# Allegro board RUBUS_20173009.brd (continued)
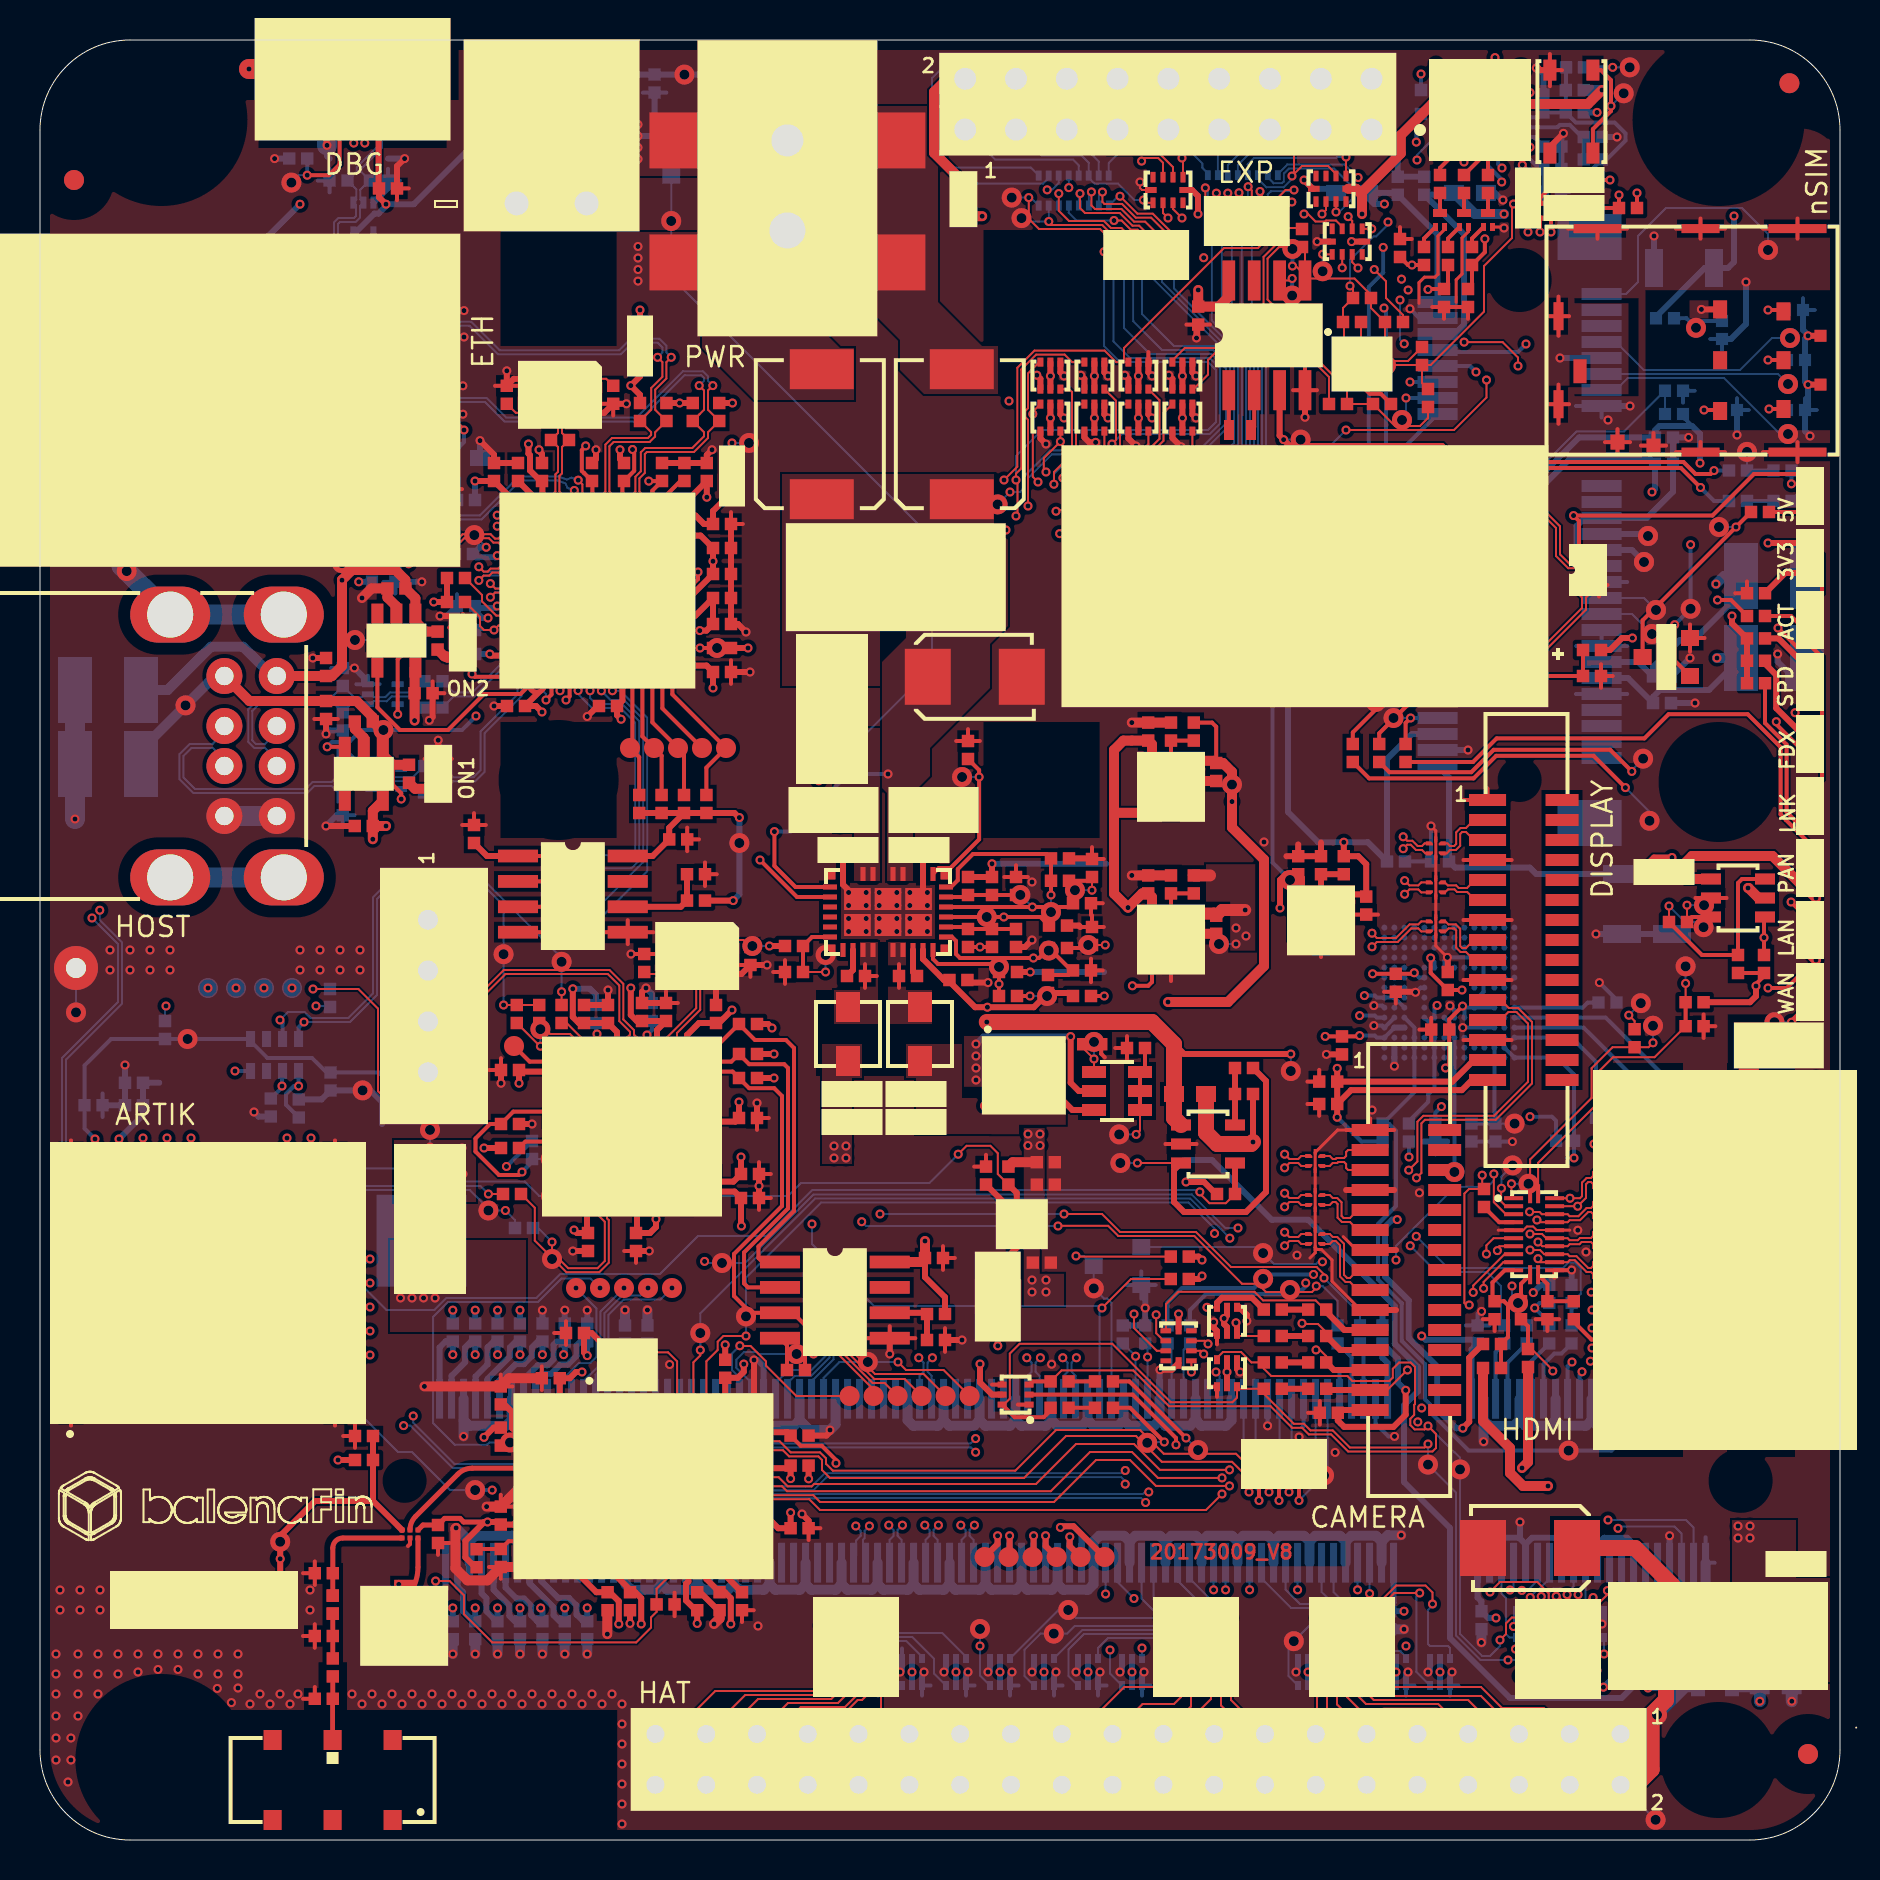
[diagram p0: board, top side]
## Routing (per net, layer and track width the routed paths; a pad name or vN(x,y) marks a point on that pad's centre or on a via; arc(x,y) is an arc through that point) (continued)
WIFI_SDIO_D0: length 36.8
  TOP w0.1: v1(59.48,17.7) 55.8,17.7 54.5,19 52.8,19 50.7,16.9 39,16.9 38.66,17.24 34.93,17.24 34.59,16.9 34.33,16.9 MOD1.B6
  TOP w0.2: RR15.4 v1(61.95,16.98)
  INT1 w0.1: v1(59.48,17.7) 59.84,18.07 61.31,18.07 61.95,17.43 v1(61.95,16.98)
  BOTTOM w0.1: v1(61.95,16.98) 61.95,17.45 62.58,18.08 J2.58
WIFI_SDIO_D1: length 32.9
  TOP w0.1: MOD1.A6 35.37,17.04 38.46,17.04 39,16.5 58.3,16.5 v1(59.1,17.3)
  TOP w0.2: RR15.3 v1(61.45,17.4)
  INT1 w0.1: v1(59.1,17.3) 59.6,17.3 60.16,17.86 60.99,17.86 v1(61.45,17.4)
  BOTTOM w0.1: J2.60 61.98,17.93 v1(61.45,17.4)
WIFI_SDIO_D2: length 35.8
  TOP w0.1: MOD1.B3 34.67,19.94 36.98,19.94 37.54,19.38 39,19.38 39.3,19.08 39.3,18.81 39.64,18.46 48.77,18.46 50.8,20.5 55,20.5 56.19,19.31 59.8,19.31 60.95,18.16 RR15.2
  TOP w0.2: v1(60.95,16.98) RR15.2
  BOTTOM w0.1: v1(60.95,16.98) 60.95,17.43 60.78,17.6 J2.64
WIFI_SDIO_D3: length 33.4
  TOP w0.1: MOD1.A3 37.14,19.49 37.45,19.18 38.92,19.18 39.1,19 39.1,18.5 39.5,18.1 49.2,18.1 51.3,20.2 54.8,20.2 56.09,18.91 59.6,18.91 60.45,18.06 RR15.1
  TOP w0.2: v1(60.45,17.4) RR15.1
  BOTTOM w0.1: J2.66 60.18,19.95 60.5,19.63 60.5,17.45 v1(60.45,17.4)
N16818805: length 2.1
  TOP w0.2: U2.5 R37.2 R35.1
N16819336: length 2.1
  TOP w0.2: R42.1 R46.2 U5.5
N16826548: length 18
  TOP w1: J13.6 19.43,86.75 J13.10 J13.8 J13.9 J13.11 ; J13.11 v1(10.45,88.55) ; J13.11 11.83,86.75 J13.7
  BOTTOM w1: R117.2 C89.2 11.06,88.55 v1(10.45,88.55)
N16826556: length 31.5
  GND w1: J11.12 J11.9
  BOTTOM w1: C71.2 R96.2 4.08,63.7 v2(4.33,63.45) J11.9 J11.10 ; J11.12 J11.11
N16879463: length 15.6
  TOP w0.1: U1.23 74.91,33.86 77.98,36.93 77.98,38.47 78.65,39.14 80.73,39.14 C3.1 ; R2.1 v1(82.28,42.83)
  TOP w0.2: C3.1 R2.1
  BOTTOM w0.1: v1(82.28,42.83) v2(82.28,43.68)
N16879564: length 12
  TOP w0.1: v1(80.65,39.86) 80.43,39.64 R6.2 78.63,39.64 77.58,38.59 77.58,37.1 74.5,34.02 U1.24
  BOTTOM w0.1: v1(80.65,39.86) v2(80.65,40.71)
N16879671: length 3.2
  TOP w0.2: L1.2 76.69,25.91 77.57,25.02 79.31,25.02 J1.18
N16879685: length 1.8
  TOP w0.2: R13.2 72.96,30.89 U1.4
N16879735: length 6.3
  TOP w0.2: U1.10 73.24,28.49 72.62,27.88 72.62,27.05 C9.1 73.2,26.94 73.4,26.74 73.4,25.15 R243.2 R244.2
N16879749: length 32.5
  TOP w1: J1.22 87.05,35.88 87.05,22.12 J1.21 J1.24 ; J1.22 85.44,37.48 C8.2 ; J1.22 v1(83.64,36.88) J1.23
  BOTTOM w0.1: v1(83.64,36.88) v2(84.49,36.88)
N16879759: length 1.5
  TOP w0.2: U1.11 74.05,27.81 R16.2
N16879761: length 2.8
  TOP w0.2: L1.1 C10.1 75.37,27.8 U1.12
N16882551: length 13
  TOP w0.1: R21.1 51.83,29.17 v1(51.8,29.2)
  BOTTOM w0.1: J2.88 53.58,22.07 53.58,26.86 53.36,27.07 53.2,27.07 v2(52.69,27.58) Q1.3 52.19,29.2 v1(51.8,29.2)
N16891942: length 6.2
  BOTTOM w0.1: v2(15.45,68.04) Q6.3
  BOTTOM w0.2: U13.10 16.6,64.38 R113.2 15.45,64.96 Q6.3
N16952006: length 1.3
  TOP w0.2: R25.2 R26.1
N16952009: length 1.3
  TOP w0.2: R23.2 R24.1
N16956172: length 1.3
  TOP w0.3: R81.2 R82.1
N16956207: length 1.3
  TOP w0.3: R83.2 R84.1
N16956242: length 1.3
  TOP w0.3: R85.2 R86.1
N16956269: length 1.3
  TOP w0.3: R87.2 R88.1
N16969912: length 8
  INT1 w0.2: v1(12.6,42.6) 12.6,38.03 v1(12.93,37.7)
  BOTTOM w0.2: RR4.1 v1(12.93,37.7) 12.7,37.7 12.3,37.3 12.3,36.77 12.94,36.13 R128.1
N16969957: length 6.9
  INT1 w0.2: v1(12.1,37.7) 11.2,38.6 v1(11.2,42.6)
  BOTTOM w0.2: RR4.2 12.1,38.42 v1(12.1,37.7) 12.1,37.63 R132.1
N16969979: length 5
  INT1 w0.2: v1(9.75,38.45) 9.8,38.5 v1(9.8,42.6)
  BOTTOM w0.2: RR4.4 v1(9.75,38.45)
N17037416: length 2.9
  BOTTOM w0.3: R29.1 29.58,24.5 J2.168
N17062592: length 1.4
  TOP w0.1: RR3.13 60.09,82.22 v1(59.95,82.36)
  BOTTOM w0.1: RR2.5 59.89,82.29 59.95,82.35 v1(59.95,82.36)
N17062595: length 1.3
  TOP w0.1: v1(59.39,82.34) 59.39,82.31 59.59,82.11 RR3.14
  BOTTOM w0.1: v1(59.39,82.34) RR2.6
N17062598: length 1.4
  TOP w0.1: v1(58.82,82.34) 58.82,82.32 59.09,82.05 RR3.15
  BOTTOM w0.1: v1(58.82,82.34) 58.82,82.32 58.89,82.25 RR2.7
N17062601: length 2
  TOP w0.1: v1(58.27,82.61) 58.27,82.02 RR3.16
  BOTTOM w0.1: v1(58.27,82.61) 58.39,82.48 RR2.8
N17081835: length 1
  TOP w0.2: RR7.9 RR8.8
N17081884: length 1
  TOP w0.2: RR8.7 RR7.10
N17081939: length 1
  TOP w0.2: RR7.11 RR8.6
N17082126: length 1
  TOP w0.2: RR11.14 RR12.3
N17082162: length 1
  TOP w0.2: RR11.15 RR12.2
N17082197: length 1
  TOP w0.2: RR12.1 RR11.16
N17089128: length 1
  TOP w0.2: RR8.4 RR7.13
N17089171: length 1
  TOP w0.2: RR7.14 RR8.3
N17089214: length 1
  TOP w0.2: RR7.16 RR8.1
N17089343: length 1
  TOP w0.2: RR11.10 RR12.7
N17089386: length 1
  TOP w0.2: RR11.12 RR12.5
N17119064: length 2.1
  TOP w0.3: R49.1 R52.2 U6.5
N17119869: length 6.7
  TOP w0.2: v1(67.76,57.5) 65.64,55.38 R146.1
  BOTTOM w0.1: v2(67.03,58.07) 67.6,57.5 v1(67.76,57.5)
  BOTTOM w0.2: v1(67.76,57.5) 67.96,57.7 J19.42
N17119872: length 5.8
  TOP w0.2: R147.1 66.96,55.33 v1(68.53,56.9)
  BOTTOM w0.1: v2(66.79,56.9) v1(68.53,56.9)
  BOTTOM w0.2: J19.44 v1(68.53,56.9)
N17119875: length 3.6
  TOP w0.2: v1(68.53,56.1) 68.28,55.85 R148.1
  BOTTOM w0.1: v1(68.53,56.1) v2(67.68,56.1)
  BOTTOM w0.2: J19.46 v1(68.53,56.1)
N17119878: length 26.3
  TOP w0.2: LD11.1 88.5,49.8 87.3,51 87.3,51.01 87.03,51.28 87.03,54.65 85.39,56.29 81.43,56.29 80.22,55.08 72.83,55.08 71.65,53.9 R148.2
N17119887: length 27
  TOP w0.2: v1(79.59,53.43) 78.51,54.51 72.68,54.51 71.56,53.39 67.47,53.39 R147.2 ; v1(87.56,46.9) 88.2,46.25 LD10.1
  INT1 w0.2: v1(87.56,46.9) 85.36,46.9 80.07,52.19 80.07,52.95 v1(79.59,53.43)
  BOTTOM w0.1: v2(80.16,54.07) 80.07,53.98 80.07,53.97 79.59,53.49 v1(79.59,53.43)
N17119896: length 33.7
  TOP w0.2: v1(79.27,52.62) 77.68,54.21 72.81,54.21 71.68,53.08 66.46,53.08 R146.2 ; LD9.1 87.89,43.15 87.34,42.6 v1(86.4,42.6)
  INT1 w0.2: v1(86.4,42.6) 86.8,43 86.8,46.4 86.6,46.6 85.24,46.6 79.27,52.57 v1(79.27,52.62)
  BOTTOM w0.1: v2(80.48,50.96) 80.48,51.41 v1(79.27,52.62)
N17122549: length 22.1
  TOP w0.2: v1(83.03,67.62) 82.05,68.6 71.75,68.6 71.55,68.4 71.55,62.93 71.8,62.68 71.8,62.12 v1(71.37,61.7)
  BOTTOM w0.2: v1(83.03,67.62) 83.7,66.95 R144.1 ; J19.32 v1(71.37,61.7)
N17122560: length 21.2
  TOP w0.2: v1(71.37,62.5) 71.25,62.62 71.25,68.52 71.62,68.9 82.17,68.9 82.77,68.3 83.53,68.3 v1(83.7,68.47)
  BOTTOM w0.2: R142.1 v1(83.7,68.47) ; J19.30 v1(71.37,62.5)
N17123208: length 16.6
  TOP w0.2: R187.1 v1(74.4,80.4)
  INT1 w0.2: v1(68.3,72.1) 68.08,72.33 68.08,73.08 68.5,73.5 70.8,73.5 71.7,74.4 71.7,78.62 73.08,80 74,80 v1(74.4,80.4)
  BOTTOM w0.1: v1(68.3,72.1) 68.3,71.1 68.2,71 v2(68.1,71)
  BOTTOM w0.2: J19.14 v1(68.3,72.1)
N17123211: length 16.5
  TOP w0.2: R186.1 75,82.1 v1(75,80.4)
  INT1 w0.2: v1(68.5,72.9) 70.7,72.9 72.1,74.3 72.1,78.6 73.2,79.7 74.3,79.7 75,80.4 v1(75,80.4)
  BOTTOM w0.2: J19.12 v1(68.5,72.9)
N17123214: length 12.7
  TOP w0.2: R185.1 75.55,81.25 v1(75.55,80.4)
  INT1 w0.2: v1(75.55,80.4) 76.3,79.65 76.3,77.63 72.07,73.4 v1(71.8,73.4)
  BOTTOM w0.2: v1(71.8,73.4) 71.5,73.7 J19.10
N17123217: length 25.9
  TOP w0.2: v1(86.4,76.5) 87.11,76.5 J22.1 ; R188.2 v1(79.85,82.35)
  INT1 w0.2: v1(86.4,76.5) 85.7,76.5 v1(79.85,82.35) 79.85,80.75 74.3,75.2 v1(74.3,74.8)
  BOTTOM w0.2: J19.8 69.98,74.4 73.9,74.4 v1(74.3,74.8) ; C153.1 v1(86.4,76.5)
N17126506: length 2.7
  BOTTOM w0.2: R189.2 83.14,75.95 v2(82.8,75.61) 82.32,76.09 R149.1
N17128944: length 2.3
  BOTTOM w0.1: v2(85.35,69.41) R142.2
  BOTTOM w0.2: R143.1 R142.2
N17129002: length 1.3
  BOTTOM w0.2: R145.1 R144.2
N17130185: length 46.8
  TOP w0.2: R248.1 C211.1 72.7,58.2 72.4,57.9 68,57.9 66.9,59 66.9,64.12 v1(68.47,65.7) 66.1,68.08 v1(66.1,68.4)
  INT2 w0.2: v1(67.2,76.6) 67.2,78.69 69.28,80.77 69.28,88.08 v1(69.05,88.3)
  BOTTOM w0.2: J19.22 v1(68.47,65.7) ; R250.1 v1(69.05,88.3) ; v1(66.1,68.4) 67.3,69.6 v2(67.3,73.74) 67.3,76.5 v1(67.2,76.6)
N17130223: length 10.7
  BOTTOM w0.1: J19.7 78.79,74.9 80.19,73.5 85,73.5 86.6,75.1 v2(87.5,75.1)
N17130226: length 9.5
  BOTTOM w0.1: J19.11 86.9,73.3 v2(87.4,72.8)
N17130229: length 10.7
  BOTTOM w0.1: v2(87.4,70.3) 87,70.3 84.2,73.1 79.39,73.1 78.79,72.5 J19.13
N17130232: length 2.4
  BOTTOM w0.3: v2(80.4,65.2) 80.3,65.3 J19.23
N17130235: length 2.4
  BOTTOM w0.3: J19.25 79.6,64.5 v2(80.2,63.9)
N17130238: length 3
  BOTTOM w0.1: v2(80.8,61.5) 80.2,62.1 J19.31
N17130241: length 2.9
  BOTTOM w0.1: J19.33 79.6,61.3 v2(80.6,60.3)
N17130249: length 12.8
  BOTTOM w0.1: J19.1 79.3,77.3 79.9,77.9 79.9,80.2 81.3,81.6 85.1,81.6 86.4,80.3 v2(86.4,79.5)
N17159243: length 2.1
  TOP w0.2: R66.2 88.45,66.4 LD4.1
N17159780: length 2.7
  TOP w0.3: R67.2 87.26,63.35 LD5.1
N17163814: length 2
  TOP w0.1: v1(60.41,82.67) 60.41,82.66 60.59,82.48 RR3.12
  BOTTOM w0.1: RR2.4 60.39,82.65 v1(60.41,82.67)
N17163832: length 1.5
  TOP w0.1: RR3.11 61.09,82.34 v1(61,82.43)
  BOTTOM w0.1: v1(61,82.43) 60.89,82.32 RR2.3
N17163850: length 3.5
  TOP w0.1: RR3.10 61.59,81.81 62.28,82.5 v1(62.7,82.5)
  BOTTOM w0.1: v1(62.7,82.5) 62.64,82.44 61.54,82.44 61.39,82.29 RR2.2
N17179377: length 4.2
  TOP w0.25: U26.3 18.9,13.65 arc(18.72,12.75) 18.21,11.98
  BOTTOM w0.2: v2(17.94,11.93) v1(17.94,12.78)
N17179423: length 3.2
  TOP w0.24: ANT1.2 14.63,7.05 C60.1 C202.2
N17179429: length 2.2
  TOP w0.24: L22.2 C201.1 C202.1
N17182696: length 1
  TOP w0.3: RR9.10 RR10.7
N17182698: length 1
  TOP w0.3: RR9.11 RR10.6
N17182699: length 1
  TOP w0.3: RR9.12 RR10.5
N17182700: length 1
  TOP w0.3: RR9.13 RR10.4
N17182701: length 1
  TOP w0.3: RR9.14 RR10.3
N17182702: length 1
  TOP w0.3: RR9.15 RR10.2
N17182703: length 1
  TOP w0.3: RR9.16 RR10.1
N17182828: length 1
  TOP w0.2: RR6.2 RR5.15
N17182829: length 1
  TOP w0.2: RR6.1 RR5.16
N17182830: length 1
  TOP w0.2: RR6.3 RR5.14
N17182831: length 1
  TOP w0.2: RR6.4 RR5.13
N17182832: length 1
  TOP w0.2: RR6.5 RR5.12
N17182833: length 1
  TOP w0.2: RR6.6 RR5.11
N17182834: length 1
  TOP w0.2: RR6.7 RR5.10
N17182835: length 1
  TOP w0.2: RR6.8 RR5.9
N17186212: length 1
  TOP w0.2: RR11.13 RR12.4
N17186527: length 1
  TOP w0.2: RR11.11 RR12.6
N17199581: length 3.6
  BOTTOM w0.2: J2.28 75.18,23.79 75.71,24.32 76.07,24.32 R8.1
N17199633: length 3.1
  BOTTOM w0.2: J2.30 74.58,23.95 R9.1
N17201498: length 2.8
  BOTTOM w0.2: R14.1 66.18,24.65 J2.46
N17201501: length 3.1
  BOTTOM w0.2: R15.1 65.58,24.13 J2.48
N17201615: length 2.9
  BOTTOM w0.1: R17.1 57.18,24.51 J2.76
N17201618: length 2.9
  BOTTOM w0.1: R19.1 56.58,24.63 J2.78
N17222181: length 4.3
  BOTTOM w0.2: U17.A6 77.13,41.62 77.38,41.87 R139.2
N17222186: length 6.8
  INT2 w0.2: v1(70.07,36.67) 69.85,36.89 v1(69.85,41.73)
  BOTTOM w0.2: v1(70.07,36.67) 69.77,36.37 R140.2 ; U17.J5 69.72,41.6 v1(69.85,41.73)
N17293442: length 5.5
  TOP w0.3: v1(51.02,15.63) 51.08,15.69 51.68,15.69 53.21,14.15 TP1.1
  BOTTOM w0.3: J2.93 52.08,15.28 51.68,15.69 51.08,15.69 v1(51.02,15.63)
N17293451: length 2.5
  TOP w0.3: TP2.1 51.48,14.7 51.48,15.15 v1(51.49,15.16)
  BOTTOM w0.3: J2.95 51.48,15.15 v1(51.49,15.16)
N17293460: length 2.6
  TOP w0.3: v1(50.28,15.21) 50.28,14.7 TP3.1
  BOTTOM w0.3: J2.99 v1(50.28,15.21)
N17293469: length 2.4
  TOP w0.3: TP4.1 49.68,14.2 v1(49.68,15.21)
  BOTTOM w0.3: J2.101 v1(49.68,15.21)
N17293478: length 2.4
  TOP w0.3: v1(48.48,15.21) 48.48,14.2 TP5.1
  BOTTOM w0.3: J2.105 v1(48.48,15.21)
N17293487: length 2.7
  TOP w0.3: TP6.1 47.88,14.8 v1(47.88,15.21)
  BOTTOM w0.3: J2.107 v1(47.88,15.21)
N17293523: length 9.4
  TOP w0.1: v1(42.9,23.9) 43.3,23.5 45.18,23.5 TP7.1
  BOTTOM w0.1: J2.136 39.18,23.11 39.97,23.9 v2(41.39,23.9) v1(42.9,23.9)
N17293530: length 13
  TOP w0.1: TP8.1 44.18,23.3 41.75,23.3 39.35,25.7 v1(39.1,25.7)
  BOTTOM w0.1: J2.138 38.58,22.94 39.67,24.03 39.67,25.12 v1(39.1,25.7) v2(39.1,26.74)
N17293537: length 11.7
  TOP w0.1: TP9.1 43.23,23.05 41.72,23.05 39.67,25.1 v1(38.67,25.1)
  BOTTOM w0.1: J2.142 37.38,22.85 37.74,23.21 38.57,23.21 39.48,24.12 39.48,24.86 39.23,25.1 v1(38.67,25.1)
N17293544: length 9.2
  TOP w0.1: TP10.1 42.23,22.85 41.63,22.85 39.78,24.7 v1(39.1,24.7)
  BOTTOM w0.1: v1(39.1,24.7) 39.27,24.52 39.27,24.2 38.57,23.5 37.43,23.5 36.78,22.85 J2.144
N17293551: length 10.4
  TOP w0.1: TP11.1 41.68,22.52 39.9,24.3 v1(38.67,24.3)
  BOTTOM w0.1: J2.148 35.58,22.85 34.81,23.61 34.81,24.01 35.2,24.4 35.83,24.4 35.93,24.3 v2(37.83,24.3) v1(38.67,24.3)
N17293558: length 9.6
  TOP w0.1: TP12.1 37.82,22.2 36.3,23.72 36.3,23.93 35.53,24.7 35,24.7 35,24.71 v1(34.99,24.71)
  BOTTOM w0.1: J2.150 34.98,23.12 34.6,23.5 34.6,24.32 v1(34.99,24.71)
N17293833: length 2.8
  BOTTOM w0.3: J2.166 30.18,24.64 R28.1
N17297409: length 8.6
  BOTTOM w0.3: R237.1 28.91,87.56 29.63,88.27 R32.2 v2(32.22,88.27) 35.63,88.27 35.85,88.05 Q2.1
N17299945: length 72.9
  TOP w0.2: R31.1 84.55,62 v1(83.88,62)
  INT2 w0.1: v1(83.88,62) 84.17,62.3 84.17,64.83 80.11,68.89 80.11,72.43 77.04,75.5 54.13,75.5 53.08,74.45 38.15,74.45 34.73,77.87 v1(34.73,84.2)
  BOTTOM w0.1: Q3.3 34.66,84.16 34.7,84.2 v1(34.73,84.2)
  BOTTOM w0.3: Q2.2 35.15,86.15 v2(34.36,85.36) 33.93,84.93 Q3.3
N17304746: length 2.6
  TOP w0.2: LD17.1 87.55,61.2 R31.2
N17324040: length 1.4
  TOP w0.1: RR3.9 62.39,81.7 v1(62.59,81.9)
  BOTTOM w0.1: v1(62.59,81.9) 62.43,81.74 RR2.1
N17354151: length 5.7
  TOP w0.2: v1(13.36,83.24) 14.44,83.24 14.98,83.78 J13.4
  BOTTOM w0.1: v2(12.57,82.87) 12.94,83.24 v1(13.36,83.24)
  BOTTOM w0.2: R153.2 v1(13.36,83.24)
N18376084: length 155.2
  TOP w0.2: PB1.3 77.64,85.55 78.55,86.45 v1(78.55,86.7) 78.55,87.99 78.05,88.5 PB1.4
  INT2 w0.1: v1(26.69,15.52) 29.71,12.5 32.02,12.5 32.09,12.42 52.38,12.42 52.86,12.9 65.18,12.9 71.83,19.55 72.34,19.55 72.56,19.76 72.56,20.27 73.42,21.14 79.98,21.14 81.15,22.31 81.15,33.64 80.25,34.54 80.25,66.97 79.91,67.31 79.91,72.35 76.98,75.28 68.67,75.28 v1(68.21,74.81) ; v1(68,77) 67.7,77.3 67.7,78.84 70.5,81.64 70.5,85.15 70.84,85.48 70.84,86.23 73.82,89.22 77.2,89.22 78.55,87.87 v1(78.55,86.7)
  BOTTOM w0.1: v1(68.21,74.81) 68,75.02 v1(68,77) ; J2.177 26.88,15.32 26.7,15.5 26.7,15.51 v1(26.69,15.52) ; v1(78.55,86.7) v2(79.19,87.33)
N18385522: length 7
  TOP w0.5: J14.2 45.36,88.06 44.7,87.4 44.7,84.36 F2.1
N18386630: length 4.8
  TOP w0.1: v1(54,82.19) 54.87,81.31 55.64,81.31 56.56,80.4 56.87,80.4 57.06,80.21 RR13.9
  BOTTOM w0.1: v1(54,82.19) 53.91,82.19 RR14.1
N18386633: length 5.5
  TOP w0.1: v1(53.12,82.4) 53.12,81.9 53.22,81.8 54.1,81.8 54.79,81.11 55.56,81.11 56.56,80.11 RR13.10
  BOTTOM w0.1: RR14.2 52.94,82.22 v1(53.12,82.4)
N18386636: length 5.7
  TOP w0.1: v1(52.57,82.41) 52.57,81.73 52.75,81.55 54.07,81.55 54.71,80.92 55.26,80.92 56.06,80.11 RR13.11
  BOTTOM w0.1: RR14.3 52.44,82.27 v1(52.57,82.41)
N18386651: length 5.6
  TOP w0.1: RR13.12 55.56,80.11 54.96,80.72 54.62,80.72 53.99,81.35 52.25,81.35 52,81.6 v1(52,82.32)
  BOTTOM w0.1: v1(52,82.32) 51.94,82.26 RR14.4
N18386810: length 4.7
  TOP w0.1: v1(53.7,80.97) 54.08,80.97 54.54,80.52 54.87,80.52 55.06,80.33 RR13.13
  BOTTOM w0.1: v1(53.7,80.97) 51.83,80.97 51.44,81.36 RR14.5
N18386815: length 5.8
  TOP w0.1: RR13.14 54.56,80.11 54.07,80.6 53.54,80.6 53.19,80.95 51.45,80.95 50.94,81.46 v1(50.94,82.32)
  BOTTOM w0.1: RR14.6 v1(50.94,82.32)
N18386822: length 6.5
  TOP w0.1: v1(50.44,80.92) 50.44,80.85 50.54,80.75 53.11,80.75 53.46,80.4 53.96,80.4 54.06,80.3 RR13.15
  BOTTOM w0.1: RR14.7 v1(50.44,80.92) 49.24,80.92 v2(49.08,81.09)
N18386825: length 7.1
  TOP w0.1: v1(49.44,82.12) 49.44,81.06 49.95,80.55 53,80.55 53.45,80.1 53.46,80.1 RR13.16
  BOTTOM w0.1: v2(48.59,82.12) v1(49.44,82.12) 49.54,82.12 RR14.8
N18400731: length 1.7
  TOP w0.3: C152.1 48.34,31.73 U20.4
N18401161: length 1.8
  TOP w0.3: R182.1 48.84,29.62 U20.6
N18405003: length 3.4
  BOTTOM w0.3: R184.2 R183.2 R1.2 R3.2
N18406483: length 22.5
  TOP w0.2: v1(74.12,83.75) 74.4,83.47 R187.2 ; J22.2 87.17,74 v1(86.4,74)
  INT2 w0.2: v1(86.4,74) 82.8,74 81.4,75.4 81.4,81.4 79.05,83.75 v1(74.12,83.75)
  BOTTOM w0.2: C154.1 v1(86.4,74)
N18406582: length 16.2
  TOP w0.2: v1(78.95,82.25) R188.1 R185.2 ; v1(83.2,71.5) 83.95,71.5 J22.7
  INT2 w0.2: v1(78.95,82.25) 78.95,75.75 v1(83.2,71.5)
  BOTTOM w0.2: C156.1 v1(83.2,71.5)
N18406685: length 27.1
  BOTTOM w0.2: J19.16 61.62,63.05 61.62,48.88 v2(62.5,48)
N18408710: length 19.3
  TOP w0.2: J22.3 v1(86.45,71.55) ; R186.2 v1(78.5,83)
  INT2 w0.2: v1(78.5,83) 79.1,83 79.4,82.7 79.4,76 83.47,71.92 86.08,71.92 v1(86.45,71.55)
  BOTTOM w0.2: v1(86.45,71.55) 87.3,71.55 C155.1
N18414063: length 3.2
  TOP w0.3: R199.2 R198.1 44.29,26.36 U21.6
N18414095: length 1.7
  TOP w0.2: U21.4 37.35,24.74 R190.2
N18414244: length 8.4
  TOP w0.1: C44.1 35.17,45 Y3.1 33.21,45 33.01,44.8 33.01,41.51 31.85,40.35 U8.3
N18414297: length 6.8
  TOP w0.1: C45.1 30.31,43.3 Y3.3 32.61,43.3 32.81,43.1 32.81,41.59 31.35,40.13 U8.4
N18414337: length 2.3
  TOP w0.2: U8.6 v1(30.35,40.25)
  BOTTOM w0.1: v2(30.35,39.4) v1(30.35,40.25)
  BOTTOM w0.2: R193.2 30.6,40.5 v1(30.35,40.25)
N18414397: length 10.1
  TOP w0.1: R238.1 24.74,31.61 24.74,29.97 26.32,28.39 27.96,28.39 28.44,28.87 28.44,30.99 28.35,31.08 U8.33
N18414409: length 2.1
  TOP w0.2: U8.11 v1(27.85,40.3)
  BOTTOM w0.1: v1(27.85,40.3) v2(27.85,39.45)
  BOTTOM w0.2: R192.1 27.8,40.35 v1(27.85,40.3)
N18414413: length 8.6
  TOP w0.1: v1(25.6,29.9) 25.6,29.4 26.41,28.59 27.88,28.59 28.24,28.95 28.24,30.91 27.85,31.3 U8.32
  BOTTOM w0.1: v2(25.6,29.05) v1(25.6,29.9) 24.9,30.6 R291.1
N18414425: length 1.9
  TOP w0.1: U8.12 27.35,39.83 26.33,40.85 R214.2
N18414475: length 9.8
  TOP w0.2: v1(24.1,33.4) 23.95,33.25 22.95,33.25 21.78,34.42 21.78,35.08 22.5,35.8 C50.1 23.05,35.8 23.67,36.42 U8.20
  BOTTOM w0.1: R216.2 v2(25.54,34.05)
  BOTTOM w0.2: R216.2 24.6,33.9 v1(24.1,33.4)
N18424363: length 9.3
  TOP w0.2: J20.4 18.73,71.36 20.34,71.36 v1(21.2,70.5)
  BOTTOM w0.1: v2(19.7,67) R200.1
  BOTTOM w0.2: R200.1 20.4,67.45 C135.1 21.2,69.9 v1(21.2,70.5)
N18424443: length 14.5
  TOP w1: J20.9 v1(2.88,74.6) J20.10
  BOTTOM w0.1: C134.2 v2(4.68,73.3)
  BOTTOM w1: C134.2 2.88,73.52 v1(2.88,74.6)
N18431035: length 1.5
  TOP w0.3: U22.63 24.62,67.23 R201.1
N18432576: length 1.7
  TOP w0.2: U22.50 31.12,67.05 32.02,67.95 R202.1
N18433009: length 7
  TOP w0.2: U22.41 32.58,62.72 32.9,63.05 v1(32.9,63.4) ; R203.1 v1(33,59.6)
  INT1 w0.2: v1(32.9,63.4) 33.5,62.8 33.5,60.1 v1(33,59.6)
  BOTTOM w0.1: v2(33.85,59.6) v1(33,59.6)
N18435074: length 7.7
  TOP w0.1: C148.1 23.79,71.36 Y2.3 25.78,71.36 25.9,71.24 25.9,70.35 R204.2 25.9,69.65 25.9,68.41 25.77,68.28 25.77,67.42 25.62,67.27 U22.61
N18435086: length 8.9
  TOP w0.1: U22.60 26.12,67.27 25.97,67.42 25.97,68.2 26.1,68.33 26.1,69.65 R204.1 26.1,70.35 26.1,72.18 26.98,73.06 Y2.1 28.31,73.06 C147.1
N18439547: length 73.7
  TOP w0.2: v1(87.75,56.37) 87.75,56.41 LD13.1 ; U22.22 26.62,57.92 26.48,57.78 26.48,57.18 v1(26.3,57)
  INT1 w0.1: v1(87.75,56.37) 85.67,58.45 85.67,62.23 84.47,63.43 69.54,63.43 65.19,59.08 48.77,59.08 44.28,54.58 33.36,54.58 30.93,57 v1(26.3,57)
N18439549: length 2.8
  TOP w0.3: LD13.2 88.35,58.65 86.92,60.08 R174.1
N18439559: length 79.9
  TOP w0.2: U22.21 26.12,57.58 v1(26,57.46) ; LD12.1 89.1,53.05 89.1,59.13 88.58,59.65 87.85,59.65 v1(86.9,60.6)
  INT1 w0.1: v1(86.9,60.6) 86.9,62.08 85.35,63.63 69.46,63.63 65.1,59.27 48.69,59.27 44.19,54.78 33.44,54.78 30.37,57.85 26.38,57.85 v1(26,57.46)
  BOTTOM w0.1: v1(26,57.46) 26,58.18 26.32,58.5 v2(26.43,58.5)
N18439563: length 80.7
  TOP w0.2: v1(86.81,55.91) 86.81,55.78 88.5,54.1 LD14.1 ; U22.20 25.58,58.12 25.58,57.27 v1(25.3,57)
  INT1 w0.1: v1(25.3,57) 25.3,57.29 26.05,58.05 30.45,58.05 33.52,54.98 44.11,54.98 48.61,59.48 65.02,59.48 69.37,63.83 85.44,63.83 88.21,61.06 88.21,56.29 87.84,55.91 v1(86.81,55.91)
  BOTTOM w0.1: v1(25.3,57) 25.3,57.3 v2(24.84,57.76)
N18439587: length 8.2
  TOP w0.2: R175.1 86.25,55.85 87.33,54.77 87.33,51.4 87.78,50.95 LD12.2
N18439615: length 4.7
  TOP w0.3: R177.1 86.25,58.81 86.81,58.25 86.81,56.59 87.85,55.55 LD14.2
N18440280: length 4.2
  TOP w0.1: U22.12 22.92,60.72 v1(22.7,60.5) 22.2,60.5 22,60.7 22,61.15 R205.1
  BOTTOM w0.1: C187.2 v1(22.7,60.5)
N18441109: length 4.4
  TOP w0.3: R171.2 R169.1 32.04,46.66 U19.6
N18444316: length 7.4
  TOP w0.2: R206.1 33.32,53.62 TP69.1 31.62,57.28 U22.32
N18444319: length 4.4
  TOP w0.2: TP68.1 31.12,56.58 U22.31
N18444322: length 6.6
  TOP w0.2: U22.30 30.62,55.88 TP67.1 32.2,54.3 R207.1
N18444325: length 6.3
  TOP w0.2: R208.1 31.08,54.22 TP66.1 30.12,55.18 U22.29
N18444328: length 6.2
  TOP w0.2: U22.28 29.62,54.72 TP65.1 29.96,54.14 R209.1
N18447675: length 1.6
  TOP w0.5: R210.1 18.75,52.56 LD15.2
N18448098: length 1.4
  TOP w0.5: LD16.2 20.38,59.12 20.32,59.18 20.22,59.18 R211.1
N18449262: length 3.3
  TOP w0.1: U22.11 22.81,61.22 22.1,61.93 22.1,62.25 R212.1
N18457379: length 2
  TOP w0.2: Y4.2 59.44,70.51 U23.1
N18457384: length 2.1
  TOP w0.2: Y4.1 60.71,70.66 U23.2
N18469944: length 24.1
  TOP w0.3: U23.3 61.98,70.22 v1(62.18,70.02) 62.5,69.7 70.1,69.7 70.89,68.91 70.89,61.5 71.17,61.23 72.33,61.23 73.77,62.67 BAT1.1
  BOTTOM w0.1: v1(62.18,70.02) v2(63.03,70.02)
N18472937: length 2.1
  TOP w0.3: MOD1.B9 34.22,13.27 C199.2
N18475436: length 5.7
  TOP w0.3: 24.1,20.1 25.51,20.1 MOD1.L3 ; 24.1,20.1 23.72,19.72 R219.2 ; 24.1,20.1 23.6,20.6 23.6,21.4 23.22,21.78 R222.2
N18475447: length 4.5
  TOP w0.2: R220.2 21.84,14.55 R221.2 23.43,14.94 26.07,14.94 MOD1.L8
N18488781: length 6.1
  TOP w0.24: L22.1 L10.2
  TOP w0.25: L10.2 14.64,14.6 arc(14.79,14.95) 15.14,15.1 U26.1
N18498215: length 12.6
  BOTTOM w0.2: U25.14 74.93,86.14 C204.1 R235.1 ; R234.2 76.46,82.4 v2(77,82.93) 78.09,84.03 R230.2 78.33,84.03 79.28,84.97 79.28,85.33 78.73,85.87 76.8,85.87 76.29,86.38 R235.1 ; R235.1 R236.1 76.3,87.51 R233.2
N18498233: length 4.4
  BOTTOM w0.2: R230.1 R229.2 77.09,85.15 76.49,85.76 76,85.76 75.88,85.64 U25.15
N18502868: length 10.5
  INT1 w0.2: v1(78.63,88.63) 77.43,88.63 74.5,85.7 v1(74.5,84.64)
  BOTTOM w0.1: v1(78.63,88.63) v2(79.48,88.63)
  BOTTOM w0.2: R231.2 74.7,85.14 U25.16 74.5,84.8 v1(74.5,84.64) ; R233.1 v1(78.63,88.63)
N18502871: length 4.2
  BOTTOM w0.1: v2(75.15,81.46) R234.1
  BOTTOM w0.2: U25.1 74.15,84.39 74.99,83.55 R232.2 75.17,82.42 R234.1
N18639689: length 12.1
  TOP w0.1: R269.1 v1(81.45,46.7)
  TOP w0.2: R269.1 81.45,45.9 83.1,44.25 R271.1 84.9,47.85 85.1,48.05 Q16.3
  BOTTOM w0.1: v1(81.45,46.7) 82.25,45.9 82.92,45.9 v2(83.18,45.64)
N18639693: length 3
  TOP w0.1: R269.2 v1(82.35,46.74)
  TOP w0.2: R269.2 82.6,46.15 Q16.6
  BOTTOM w0.1: v1(82.35,46.74) v2(83.2,46.74)
N18652550: length 14.7
  TOP w0.3: R275.2 R240.1 16.65,16.95 ; 16.65,16.95 13.75,16.95 12.01,15.21 v1(12.01,14.06) DSW1.2 ; 16.65,16.95 U26.6
  BOTTOM w0.2: v1(12.01,14.06) v2(12.01,14.91)
N18655098: length 9.6
  TOP w0.1: Q15.4 v1(52.7,39.05) 52.16,39.59 R260.2 ; v1(47.23,36.71) 47.66,37.15 47.66,37.26
  INT1 w0.1: v1(47.23,36.71) 50.36,36.71 v1(52.7,39.05)
  BOTTOM w0.1: v1(52.7,39.05) v2(52.7,39.9)
N18655160: length 5.4
  TOP w0.1: Q15.1 55,35.47 v1(54.81,35.28)
  TOP w0.2: Q15.1 Q15.2 Q15.3 55.25,38.65 R262.2
  BOTTOM w0.1: v1(54.81,35.28) v2(53.96,35.28)
N18656712: length 2.9
  TOP w0.3: R270.1 R272.1 Q17.3
N18656716: length 16.8
  TOP w0.1: Q17.6 v1(54.87,33.85)
  TOP w0.3: R270.2 61.3,37.95 61.3,32.4 60.3,31.4 57.2,31.4 56.7,31.9 56.7,33.5 Q17.6
  BOTTOM w0.1: v1(54.87,33.85) v2(54.02,33.85)
N18660257: length 10.3
  TOP w0.2: Q13.3 80.13,60.98 v1(84.8,65.65) R66.1
  BOTTOM w0.1: v1(84.8,65.65) v2(83.95,65.65)
N18668852: length 40.8
  INT1 w0.2: v1(68.39,66.5) 67.75,66.5 66.65,67.6 65.25,67.6 v1(64.86,67.99)
  INT2 w0.1: v1(68.81,84.9) 68.61,84.9 68.26,84.55 68.26,81.1 67.16,80 v1(67.16,79.63)
  BOTTOM w0.1: R246.1 R247.2 81.23,72.46 79.2,70.43 76.83,70.43 72.9,66.5 J19.20
  BOTTOM w0.2: v1(64.86,67.99) 66.44,69.57 v2(66.44,74.58) 66.44,77.65 67.16,78.37 v1(67.16,79.63) ; v1(68.39,66.5) J19.20 ; v1(68.81,84.9) 68.81,86.06 R249.1
N18679781: length 1.8
  TOP w0.2: C219.2 41.84,43.2 ; C219.2 41.25,42.61 ; C219.2 41.25,43.79
N18679823: length 1.2
  TOP w0.2: 42.95,42.61 C218.2 42.95,43.79
N18679899: length 8.1
  TOP w0.2: R263.2 46.95,53.49 v1(46.95,53.15) 46.95,50.03 45.52,48.6 44.94,48.6 44.65,48.31 U27.1
  BOTTOM w0.1: v2(46.1,53.15) v1(46.95,53.15)
N18689680: length 32.8
  TOP w0.3: R256.2 51.5,42.35 R253.2 49.69,41.64 v1(47.37,41.64) 46.76,41.64 45.47,42.93 C226.1 45.2,43 44.15,44.05 U27.25 ; v1(36.47,44.7) R259.2
  INT1 w0.3: v1(47.37,41.64) 47.94,41.07 47.94,38.44 46.86,37.36 38.63,37.36 37.73,38.26 37.73,44.1 37.13,44.7 v1(36.47,44.7)
  BOTTOM w0.1: v2(35.62,44.7) v1(36.47,44.7)
N18690133: length 7.3
  TOP w0.2: U27.30 v1(49.62,46.65) 51.46,46.65 C214.2
  BOTTOM w0.1: v2(49.02,47.25) v1(49.62,46.65)
N18690136: length 6.2
  TOP w0.2: U27.29 v1(48.19,46.15) 50.02,46.15 C215.2
  BOTTOM w0.1: v2(47.34,46.15) v1(48.19,46.15)
N18692359: length 10.1
  TOP w0.2: U27.27 45.6,45.15 45.8,44.95 45.8,44.3 46,44.1 v1(49.67,44.1) 49.95,44.1 R252.1 50.45,44.6 51.57,43.48 C217.2 51.42,43.25 R253.1
  BOTTOM w0.1: v1(49.67,44.1) 50.05,44.1 50.42,44.47 v2(50.44,44.47)
N18692780: length 15.8
  TOP w0.2: U27.32 45.55,47.65 45.89,47.99 45.89,48.54 46.65,49.3 50.33,49.3 C212.2 R251.1 v1(50.55,47.25) ; R256.1 v1(53.21,42.2)
  INT1 w0.2: v1(50.55,47.25) 52.55,45.25 52.55,42.86 v1(53.21,42.2)
  BOTTOM w0.1: v2(50.55,46.4) v1(50.55,47.25)
N18693121: length 2.7
  TOP w0.1: C213.2 v1(52.6,47.49)
  TOP w0.2: C213.2 52.41,47.96 R251.2
  BOTTOM w0.1: v2(51.75,47.49) v1(52.6,47.49)
N18693124: length 2.8
  TOP w0.1: C216.2 v1(53.26,44.75)
  TOP w0.2: R252.2 52.45,44.6 C216.2
  BOTTOM w0.1: v1(53.26,44.75) v2(52.41,44.75)
N18695554: length 4.8
  TOP w0.1: R264.2 v1(39.28,43.4)
  TOP w0.2: R264.2 R259.1 38.6,45.15 U27.16
  BOTTOM w0.1: v1(39.28,43.4) v2(39.28,44.25)
N18696577: length 6.2
  TOP w0.2: U27.26 44.65,44.05 44.9,43.8 47.75,43.8 47.95,43.6 R254.1 v1(47.95,42.8) R255.1
  BOTTOM w0.1: v2(47.95,43.65) v1(47.95,42.8)
N18698386: length 1.4
  TOP w0.3: C218.1 43.65,43.4 U27.24
N18698691: length 1.4
  TOP w0.3: U27.18 40.65,43.5 C219.1
N18784708: length 4.6
  TOP w0.1: Y5.3 31.4,24.39 31.85,23.93 31.85,21.62 MOD1.E1
N19330929: length 3.2
  BOTTOM w0.2: R11.1 73.38,23.87 J2.34
N19330932: length 3
  BOTTOM w0.2: R12.1 72.78,24.39 J2.36
N19331047: length 121
  INT1 w0.1: v1(48.45,71.95) 48.45,73.35 49.3,74.2 55,74.2 55.07,74.27 59.33,74.27 61.6,72 66.3,72 68.88,74.58 68.88,77.77 67.55,79.1 66.8,79.1 66.2,79.7 66.2,80.8 66.6,81.2 66.6,82.8 68.1,84.3 68.1,86.3 69.8,88 v1(69.8,88.8)
  INT2 w0.1: v1(6.3,41.7) 6.3,43.1 6,43.4 6,45.23 3.05,48.18 3.05,65.18 11.77,73.9 29.53,73.9 30.73,72.7 32.17,72.7 33.07,73.6 46.8,73.6 v1(48.45,71.95)
  BOTTOM w0.1: v1(6.3,41.7) 6.25,41.65 R290.2
  BOTTOM w0.2: U25.9 71.91,88.49 71.6,88.8 v1(69.8,88.8)
N19357516: length 2
  TOP w0.2: LD8.3 72.9,84.5 72.4,84 R119.2
N19357530: length 1
  TOP w0.2: Q7.3 R119.1
N19357556: length 1.2
  TOP w0.2: 72.17,80.65 71.6,80.08 R120.2
N19357594: length 2.1
  TOP w0.2: R121.2 72,84.05 LD8.2
N19357606: length 2.2
  TOP w0.2: R123.2 70,83.6 71.1,84.7 LD8.1
N19357624: length 1
  TOP w0.2: Q8.3 R121.1
N19357650: length 1.2
  TOP w0.2: 70.97,80.65 70.4,80.08 R122.2
N19357684: length 1
  TOP w0.2: Q9.3 R123.1
N19357710: length 1.2
  TOP w0.2: Q9.1 69.2,80.08 R124.2
N19378336: length 69.5
  TOP w0.1: v1(13.65,42.55) 15.92,42.55 16.9,41.57 16.9,37.44 v1(17.81,36.53)
  INT1 w0.1: v1(58.8,23.4) 60.72,25.32 60.72,26.98 59.9,27.8 v1(59.9,30.6) ; v1(33.23,28.93) 32.88,29.28 32.88,31.38 32.22,32.04 24,32.04 23.23,32.81 19.43,32.81 17.81,34.43 v1(17.81,36.53)
  BOTTOM w0.1: v1(58.8,23.4) 58.98,23.22 J2.70 ; v1(59.9,30.6) 59.27,30.6 57.59,32.27 38.67,32.27 35.25,28.85 v2(34.1,28.85) 33.31,28.85 v1(33.23,28.93) ; R293.1 v1(13.65,42.55)

## Copper pours and planes (outline as drawn; the poured copper is in the pictures)
+1V8 on TOP: 59.51,44.47 59.51,46.92 58.3,46.92 58.3,48.79 60.76,48.79 60.76,44.47
+1V8 on POWER: 25.82,11.09 25.82,24.55 29.04,24.55 29.04,22.72 52.05,22.72 52.05,30.66 57.59,30.66 57.59,46.85 60.71,46.85 60.71,27.18 55.23,27.18 55.23,22.72 55.24,22.72 55.24,19.52 29.04,19.52 29.04,11.09
+3V3 on TOP: 49.19,26.7 49.19,30.36 49.99,30.36 49.99,28.31 51.2,28.31 51.2,26.7
+3V3 on TOP: 17.5,30 17.5,25.4 24.3,25.4 24.3,30
+3V3 on POWER: 29.6,6.8 29.6,7.9 10.4,7.9 10.4,9.8 0.5,9.8 0.5,24.05 4.2,24.05 4.2,31.65 0.5,31.65 0.5,75.4 0.7,75.4 0.7,86.75 2.15,88.74 4.5,89.5 85.5,89.5 88.33,88.33 89.5,85.5 89.5,18.5 74.7,18.5 74.7,11.7 89.5,11.7 89.5,6.8 ; 15 cut-outs
+3V3_A on POWER: 20.4,60.71 20.4,73.1 35.3,73.1 35.3,65.9 33.2,65.9 33.2,60.71 ; 2 cut-outs
+3V3_JTAG on TOP: 17.7,31.9 17.7,35 21.8,35 21.8,31.9
+3V3_JTAG on POWER: 35.8,29.1 35.8,30.6 34.6,31.8 34.5,31.7 34.5,31 34.84,30.66 34.84,30.6 17.4,30.6 17.4,46.7 38.6,46.7 38.6,34 45.7,34 45.7,29.1
+3V3_ON on TOP: 39.1,35.3 39.1,39.8 41.1,39.8 41.1,38.1 40.6,38.1 40.6,35.3
+3V3_ON on TOP: 39.1,36.59 39.1,33.8 40.6,33.8 40.6,36.59
+3V3_ON on TOP: 49.19,31.22 49.19,35.6 50.23,35.6 50.23,31.22
+3V3_ON on BOTTOM: 5.7,33.8 5.7,38.6 7.9,38.6 10.5,36 20.9,36 20.9,40.3 38.8,40.3 38.8,38.2 45.7,38.2 45.7,40.3 53.1,40.3 53.1,66.3 57.4,66.3 57.4,33.8
+3V3_ON on POWER: 53.1,65 53.1,69.2 49.7,69.2 49.7,74.6 53.1,74.6 53.1,80.6 46.9,80.6 46.9,81.6 55.7,81.6 55.7,82.7 57.9,82.7 57.9,81.6 67.6,81.6 67.6,78 57.4,78 57.4,65
+5V on TOP: 84.6,7.9 84.6,16 87.8,16 87.8,13.1 89.5,13.1 89.5,7.9
+5V on TOP: 46.2,37.66 46.2,40.2 48.2,40.2 48.2,37.66
+5V on TOP: 40.7,47.95 40.7,50.4 39.7,50.4 39.7,52.5 42,52.5 42,47.95
+5V on TOP: 39.7,51.6 39.7,53.6 38.1,53.6 38.1,55.6 42,55.6 42,51.6
+5V on INT2: 45.5,37.7 45.5,47.8 38.9,47.8 38.9,52.9 47.4,61.4 47.4,37.7
+5V on POWER: 74.8,11.9 74.8,47.07 44.88,47.07 44.88,48.6 38.6,48.6 38.6,58.73 80.9,58.73 80.9,17.9 89.5,17.9 89.5,11.9
+5V_INT on TOP: 47.57,35.29 47.57,35.3 43.8,35.3 43.8,38.1 43.3,38.1 43.3,39.8 46.1,39.8 46.1,37.1 48.24,37.1 48.24,40.18 51.29,40.18 51.29,35.76 48.95,35.76 48.95,35.29
GND_DIGITAL on GND: 4.5,0.5 1.67,1.67 0.5,4.5 0.5,24.05 4.2,24.05 4.2,31.65 0.5,31.65 0.5,85.5 1.67,88.33 4.5,89.5 85.5,89.5 88.33,88.33 89.5,85.5 89.5,4.5 88.33,1.67 85.5,0.5 ; 12 cut-outs
GND_DIGITAL on INT1: 4.5,0.5 1.67,1.67 0.5,4.5 0.5,24.05 4.2,24.05 4.2,31.65 0.5,31.65 0.5,85.5 1.67,88.33 4.5,89.5 85.5,89.5 88.33,88.33 89.5,85.5 89.5,4.5 88.33,1.67 85.5,0.5 ; 33 cut-outs
GND_DIGITAL on INT2: 4.5,0.5 1.67,1.67 0.5,4.5 0.5,24.05 4.2,24.05 4.2,31.65 0.5,31.65 0.5,85.5 1.67,88.33 4.5,89.5 44,89.5 11.11,89.5 11.05,89.47 11.02,89.4 10.99,89.47 10.92,89.5 9.98,89.5 9.91,89.47 9.88,89.4 9.85,89.47 9.79,89.5 8.86,89.5 8.77,89.43 8.8,89.32 9.08,89.07 9.34,88.8 9.44,88.76 9.51,88.83 9.49,88.79 9.45,88.77 9.42,88.73 9.43,88.69 9.46,88.65 9.56,88.61 9.64,88.69 11.16,88.97 10.17,87.77 10.07,87.75 10.05,87.64 10.06,87.59 10.1,87.56 10.14,87.57 10.11,87.52 10.11,87.46 10.36,85.7 9.87,83.99 9.9,83.86 10.03,83.87 15.47,89.31 37.72,89.31 44.68,82.35 48.12,82.35 48.81,81.66 48.86,81.66 48.95,81.71 48.95,81.82 49,82.5 49.68,82.65 49.76,82.65 49.82,82.71 50.16,83.05 50.65,83.01 50.68,82.99 50.99,83.3 56.8,83.3 58.05,82.05 58.41,82.05 58.45,82.08 58.45,82.13 58.43,82.17 58.41,82.19 58.37,82.19 57.88,82.79 58.65,82.78 58.68,82.76 58.71,82.75 58.92,82.75 59.11,82.66 59.38,82.77 59.66,82.67 59.82,82.77 60,82.78 60.37,83.09 60.79,82.85 60.82,82.83 60.85,82.83 61.03,82.85 61.2,82.8 61.3,82.8 61.35,82.89 61.35,83.04 61.09,83.3 64.3,83.3 64.3,84.3 65.4,84.3 65.4,86.6 67.41,86.6 67.74,86.27 67.85,86.25 67.91,86.35 67.91,87.49 67.88,87.57 67.8,87.6 67.8,89.5 85.5,89.5 88.33,88.33 89.5,85.5 89.5,4.5 88.33,1.67 85.5,0.5 ; 55 cut-outs
GND_DIGITAL on POWER: 4.5,0.5 1.67,1.67 0.5,4.5 0.5,9.7 10.3,9.7 10.3,7.8 29.5,7.8 29.5,0.5
VIN_CON on TOP: 35.7,72 33.1,74.6 33.1,80.5 26,80.5 26,83.1 36,83.1 36,78.6 40,74.6 40.7,74.6 40.7,72
VIN_JACK on TOP: 44.2,72.3 43,73.5 43,75 41.6,76.4 41.6,86.7 44.9,86.7 44.9,76.9 47.1,74.7 47.9,74.7 47.9,72.3
(no net) on TOP: 0.5,85.5 1.67,88.33 4.5,89.5 85.5,89.5 88.33,88.33 89.5,85.5 89.5,4.5 88.33,1.67 85.5,0.5 4.5,0.5 1.67,1.67 0.5,4.5 0.5,24.05 4.2,24.05 4.2,31.65 0.5,31.65 ; 102 cut-outs
(no net) on BOTTOM: 0.5,85.5 1.67,88.33 4.5,89.5 85.5,89.5 88.33,88.33 89.5,85.5 89.5,4.5 88.33,1.67 85.5,0.5 4.5,0.5 1.67,1.67 0.5,4.5 0.5,24.05 4.2,24.05 4.2,31.65 0.5,31.65 ; 105 cut-outs
+VALIM on TOP: 42.35,47.95 42.35,52.35 42.1,52.6 42.1,58.9 43.3,60.1 43.3,64.3 48.4,64.3 48.4,60.7 47.5,59.8 47.5,57.6 44.5,54.6 44.5,53.2 43.65,52.35 43.65,47.95
+VALIM on TOP: 43.3,65.1 43.3,63.7 48.4,63.7 48.4,65.1
N17069111 on TOP: 37.1,57.7 37.1,68.3 47.7,68.3 47.7,65.5 42,65.5 42,57.7
N18679781 on TOP: 39.7,40.8 39.7,42.5 41,42.5 41,44.9 41.9,44.9 41.9,40.8
N18679823 on TOP: 44.6,40.8 44.6,42.5 43.3,42.5 43.3,44.9 42.4,44.9 42.4,40.8

## Text on the board
Ref Des/Silkscreen Bottom: 3V3O | RST | SWC | SWD | mPCIE | Raspberry Pi CM3L | 1
User.Comments: CR_MPM3630GQV_1 | CR_UNNAMED2_3 | CR_UNNAMED3_1 | CR_UNNAMED_1
TOP: 20173009_V8
Ref Des/Assembly Top: ATTENZIONE | SALDATURA | PIN
Ref Des/Silkscreen Top: ON2 | 2 | 1 | ON1 | SPD | 3V3 | 5V | ACT | WAN | PAN | LAN | FDX | LNK | HOST | ARTIK | DBG | HAT | PWR | EXP | CAMERA | HDMI | ETH | DISPLAY | nSIM
User.8: MANFACTURING SPECIFICATIONS | BOARD SIZE | BOARD THICKNESS | NO.OF LAYERS | COPPER THICKNESS | FINISH | SILKSCREEN COLOR | SOLDER COLOR | MIN.TRACE WIDTH | MIN.TRACE SPACING | MIN. VIA SIZE | 90X90mm | 1.6mm | 6 | 35um | ENIG | WHITE | BLACK | 0.1mm | 0.25mm
User.16: FIGURE | FINISHED_SIZE | 0.254 | 0.3 | 0.9 | 0.92 | 1.0 | 1.1 | 1.2 | 1.3 | 2.3 | 3.3 | 0.6 | 1.6 | 1.8 | 2.7 | DRILL CHART: TOP to BOTTOM | ALL UNITS ARE IN MILLIMETERS | TOLERANCE_DRILL | +0.0/-0.0 | +0.1/-0.1 | PLATED | NON-PLATED | QTY | 1107 | 16 | 40 | 8 | 5 | 18 | 2 | 4 | 3 | 1 | 6
